# Altium PCB CrypTech.PcbDoc (part 1 of 6) (continued)
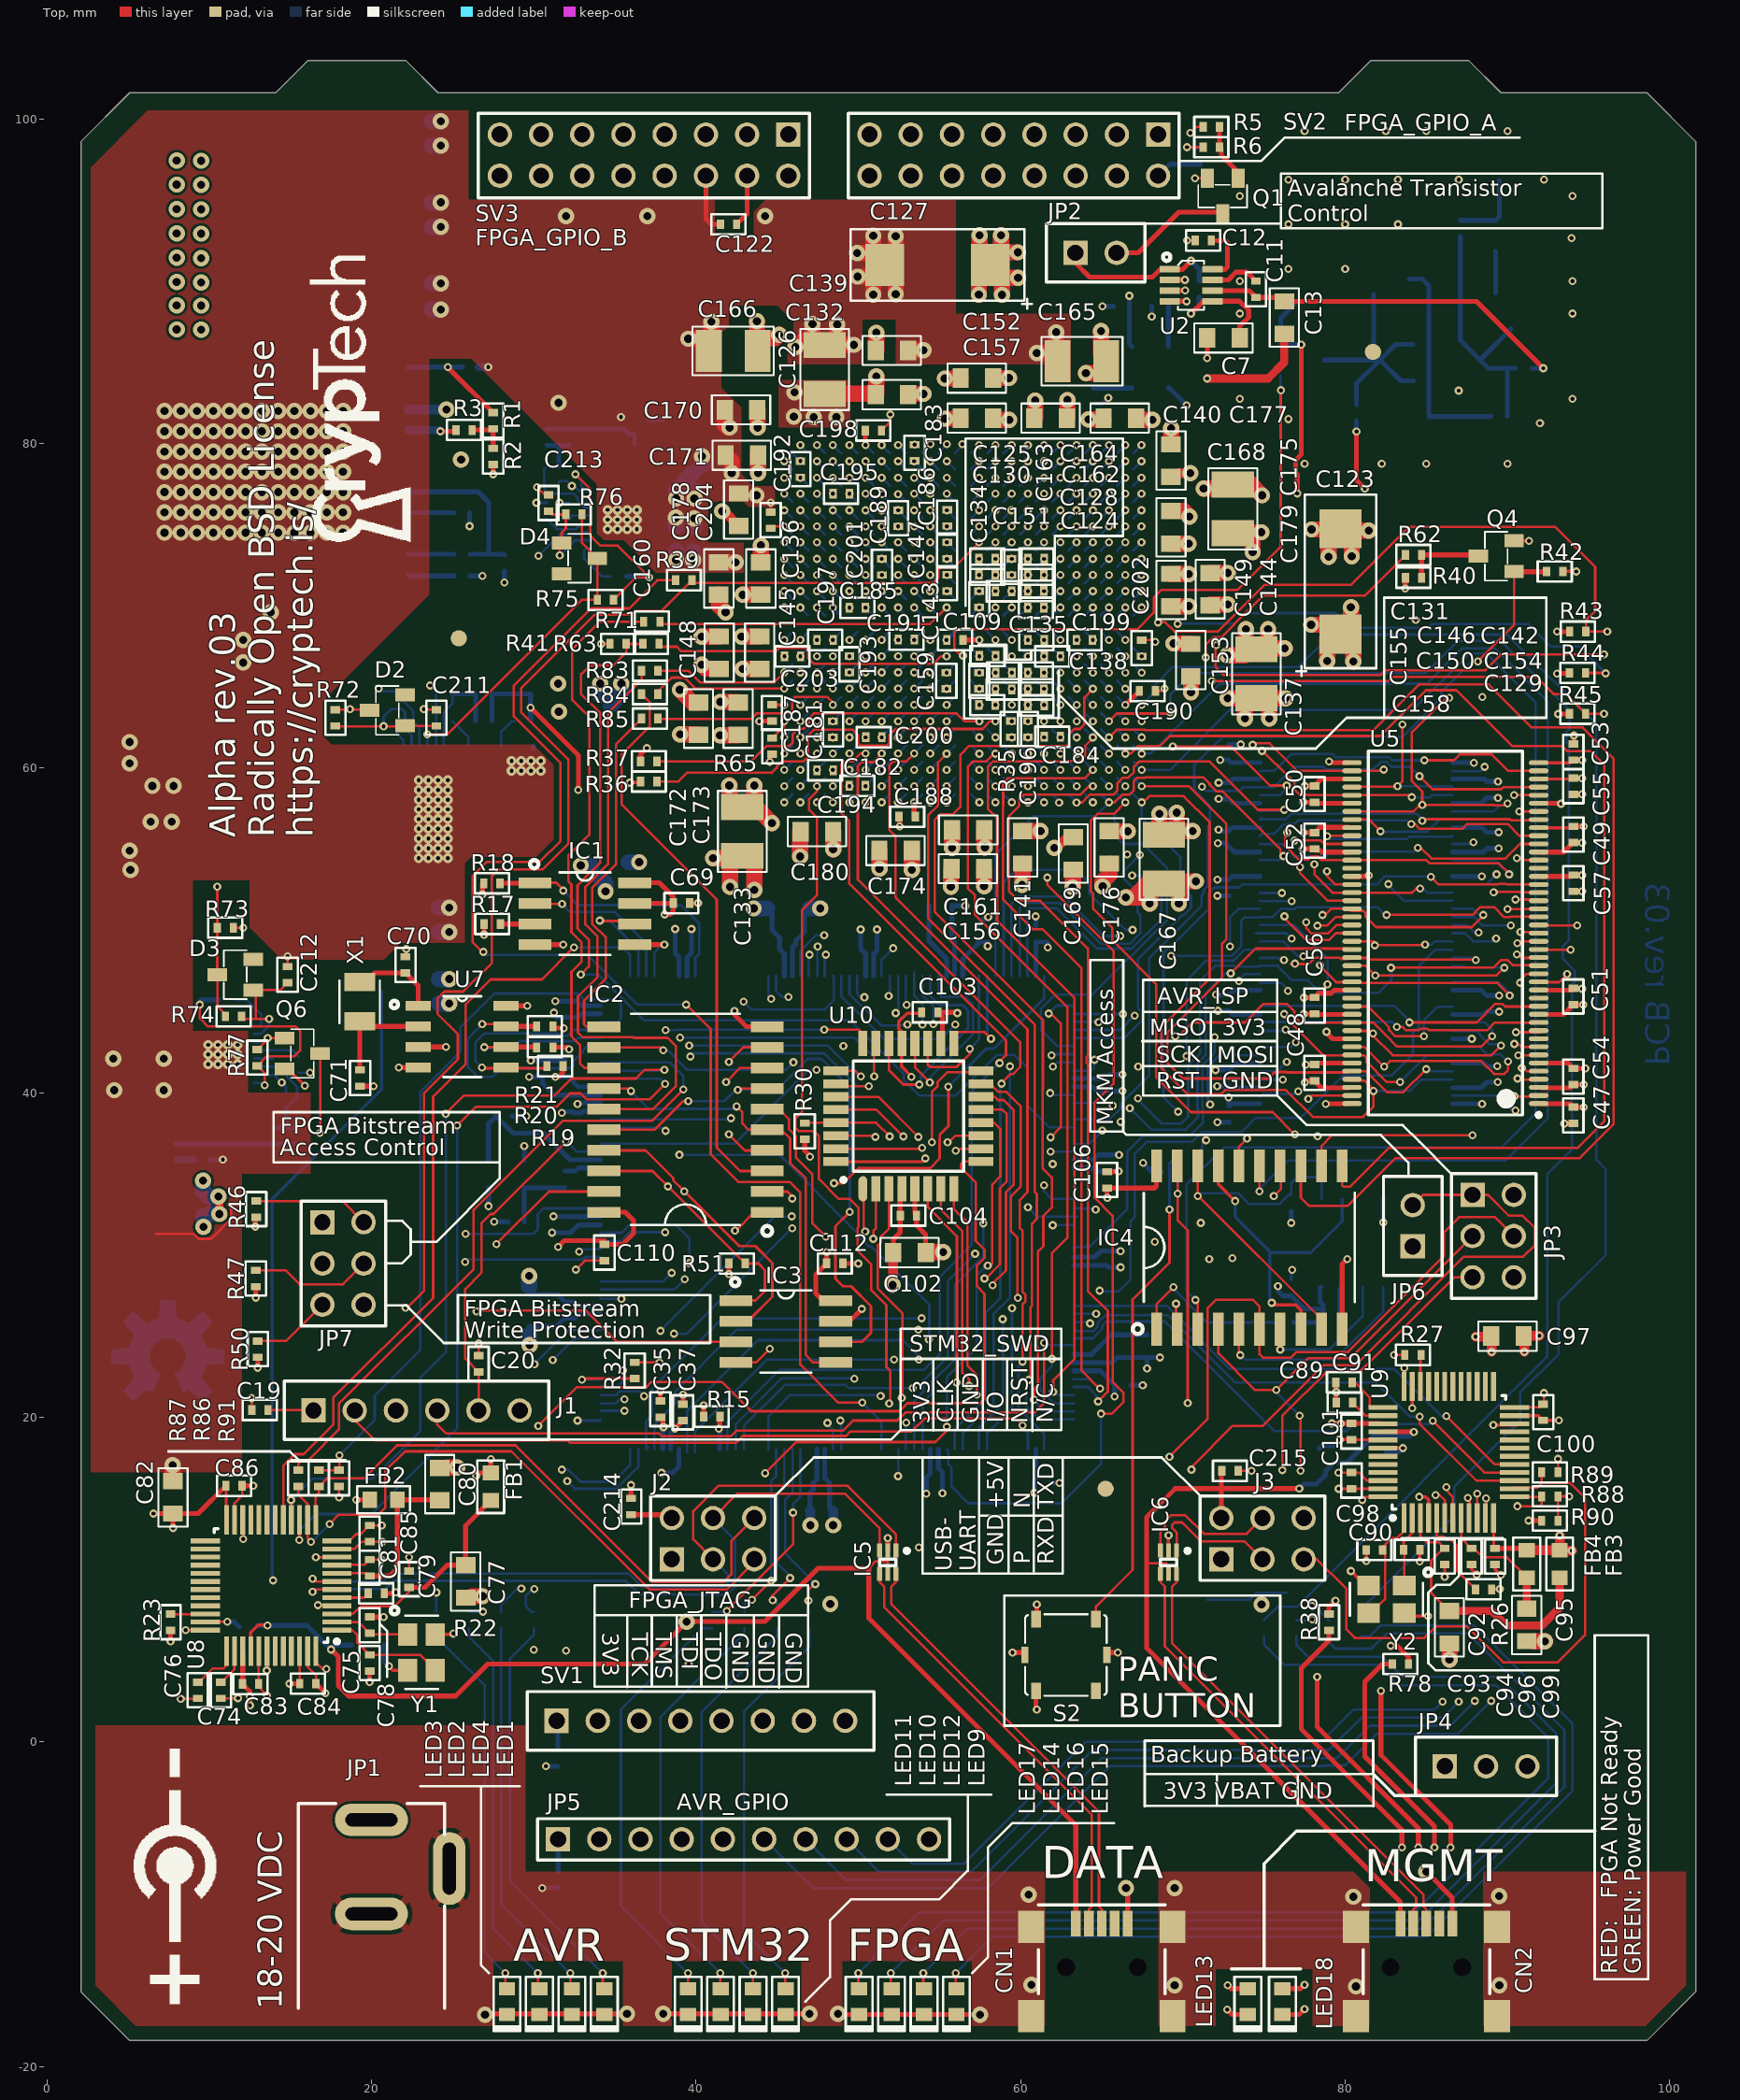
[diagram p0: Top view]
## Components (designator, comment, footprint, x,y, rotation, side; value= is the part's Value field where it differs from the comment) (continued)
C159 "GRM155R61A474KE15D" C_0402 55.423,65.38 r270 top
C160 "GRM21BR71A475KA73L" C_0805 41.402,71.679 r90 top
C161 "GRM21BR71A475KA73L" C_0805 56.769,56.185 r180 top
C162 "GRM155R61A474KE15D" C_0402 60.935,71.907 r180 top
C163 "GRM155R61A474KE15D" C_0402 59.436,72.39 r90 top
C164 "GRM155R61A474KE15D" C_0402 60.96,72.898 r0 top
C165 "GRM32ER70J476ME20L" C_1210 63.779,85.065 r180 top
C166 "GRM32ER70J476ME20L" C_1210 42.291,85.7 r180 top
C167 "GRM32ER70J476ME20L" C_1210 68.834,54.383 r270 top
C168 "GRM32ER70J476ME20L" C_1210 73.076,75.971 r270 top
C169 "GRM21BR71A475KA73L" C_0805 63.246,54.743 r270 top
C170 "GRM21BR71A475KA73L" C_0805 42.774,82.067 r180 top
C171 "GRM21BR71A475KA73L" C_0805 42.824,79.273 r180 top
C172 "GRM21BR71A475KA73L" C_0805 40.157,63.043 r270 top
C173 "GRM21BR71A475KA73L" C_0805 42.596,63.043 r270 top
C174 "GRM21BR71A475KA73L" C_0805 52.299,54.915 r180 top
C175 "GRM21BR71A475KA73L" C_0805 69.266,78.943 r90 top
C176 "GRM21BR71A475KA73L" C_0805 65.456,55.118 r270 top
C177 "GRM21BR71A475KA73L" C_0805 66.116,81.559 r0 top
C178 "GRM21BR71A475KA73L" C_0805 42.621,75.921 r90 top
C179 "GRM21BR71A475KA73L" C_0805 69.266,74.828 r270 top
C180 "GRM21BR71A475KA73L" C_0805 47.447,56.083 r0 top
C181 "GRM155R61A474KE15D" C_0402 48.438,62.382 r270 top
C182 "GRM155R61A474KE15D" C_0402 47.955,59.868 r0 top
C183 "GRM155R61A474KE15D" C_0402 53.467,79.426 r90 top
C184 "GRM155R61A474KE15D" C_0402 61.951,61.924 r180 top
C185 "GRM155R61A474KE15D" C_0402 49.936,69.875 r180 top
C186 "GRM155R61A474KE15D" C_0402 55.474,75.413 r90 top
C187 "GRM155R61A474KE15D" C_0402 44.679,63.398 r270 top
C188 "GRM155R61A474KE15D" C_0402 53.01,56.998 r180 top
C189 "GRM155R61A474KE15D" C_0402 52.451,75.387 r270 top
C190 "GRM155R61A474KE15D" C_0402 67.818,64.745 r0 top
C191 "GRM155R61A474KE15D" C_0402 52.959,67.92 r180 top
C192 "GRM155R61A474KE15D" C_0402 46.431,78.41 r90 top
C193 "GRM155R61A474KE15D" C_0402 49.454,66.396 r90 top
C194 "GRM155R61A474KE15D" C_0402 49.936,58.903 r180 top
C195 "GRM155R61A474KE15D" C_0402 48.946,76.911 r180 top
C196 "GRM155R61A474KE15D" C_0402 60.452,62.408 r270 top
C197 "GRM155R61A474KE15D" C_0402 47.955,67.894 r0 top
C198 "GRM155R61A474KE15D" C_0402 50.927,80.797 r0 top
C199 "GRM155R61A474KE15D" C_0402 63.932,67.894 r180 top
C200 "GRM155R61A474KE15D" C_0402 50.952,61.9 r180 top
C201 "GRM155R61A474KE15D" C_0402 51.46,72.39 r270 top
C202 "GRM155R61A474KE15D" C_0402 67.462,67.386 r90 top
C203 "GRM155R61A474KE15D" C_0402 45.949,66.878 r180 top
C204 "GRM155R61A474KE15D" C_0402 44.595,75.272 r90 top
C205 "C3225X5R1C226M250AA" C_1210 22.047,50.648 r0 bottom
C206 "C3225X5R1C226M250AA" C_1210 22.047,46.279 r0 bottom
C207 "" C_0402 24.486,62.89 r180 bottom
C208 "" C_0402 26.924,62.89 r180 bottom
C209 "GRM32ER70J476ME20L" C_1210 34.696,55.347 r270 bottom
C210 "GRM32ER70J476ME20L" C_1210 34.747,62.408 r90 bottom
C211 "" C_0402 24.003,63.094 r90 top
C212 "" C_0402 14.834,47.269 r90 top
C213 "" C_0402 30.912,76.327 r90 top
C214 "" C_0402 36,14.5 r90 top
C215 "" C_0402 72.9,16.7 r0 top
CN1 "690-005-299-043" USB-MINIB 65,-14.9 r0 top
CN2 "690-005-299-043" USB-MINIB 85,-14.9 r0 top locked
D1 "BAT54LT1G" SOT-23 82.855,89.179 r270 bottom
D2 "BAT54LT1G" SOT-23 20.98,63.551 r90 top
D3 "BAT54LT1G" SOT-23 11.608,47.269 r90 top
D4 "BAT54LT1G" SOT-23 32.817,72.923 r270 top
FB1 "FBMH1608HL601-T" L_0603 27.351,15.723 r270 top
FB2 "FBMH1608HL601-T" L_0603 20.753,14.919 r0 top
FB3 "FBMH1608HL601-T" L_0603 93.218,10.966 r270 top
FB4 "FBMH1608HL601-T" L_0603 91.186,10.966 r270 top
FB5 "BLM31PG330SN1" L_1206 41.453,84.277 r180 bottom
FB6 "BLM31PG330SN1" L_1206 7.798,33.147 r180 bottom
FB7 "BLM31PG330SN1" L_1206 39.624,58.217 r270 bottom
IC1 "N25Q128A13ESE*" SO08 33.155,51.028 r270 top
IC2 "MC74AC244DW*" SO20W 39.356,38.352 r90 top
IC3 "N25Q128A13ESE*" SO08 45.537,25.283 r270 top
IC4 "MC74AC244DW*" SO20W 74.092,30.464 r0 top
IC5 "RCLAMP0502A.TCT" RCLAMP0502A 51.816,11.074 r270 top
IC6 "RCLAMP0502A.TCT" RCLAMP0502A 69.113,11.074 r270 top
J1 "STM32-SWD" PLS-6 22.784,20.422 r0 top
J2 "M03X2NO_SILK" PLD-6 41.046,12.522 r0 top
J3 "M03X2NO_SILK" PLD-6 74.905,12.522 r0 top
JP1 "694106301002" 694106301002 20,-18.4 r90 top
JP2 "61300211121" PLS-2 64.647,91.745 r0 top
JP3 "AVR_SPI_PRG_62X3_LOCK" PLD-6 89.117,31.166 r270 top
JP4 "M03LOCK" PLS-3 88.679,-1.5 r0 top
JP5 "M10LOCK" HDR1X10 31.5,-6 r0 top
JP6 "61300211121" PLS-2 84.161,31.8 r90 top
JP7 "M03X2NO_SILK" PLD-6 18.25,29.475 r270 top
LED1 "LTST-C191KGKT" VD_0603 45.514,-16 r270 top
LED2 "LTST-C191KRKT" VD_0603 41.514,-16 r270 top
LED3 "LTST-C193TBKT-5A" VD_0603 39.514,-16 r270 top
LED4 "LTST-C191KSKT" VD_0603 43.514,-16 r270 top
LED9 "LTST-C191KGKT" VD_0603 34.35,-16 r270 top
LED10 "LTST-C191KRKT" VD_0603 30.35,-16 r270 top
LED11 "LTST-C193TBKT-5A" VD_0603 28.35,-16 r270 top
LED12 "LTST-C191KSKT" VD_0603 32.35,-16 r270 top
LED13 "LTST-C191KRKT" VD_0603 74,-16 r270 top
LED14 "LTST-C191KRKT" VD_0603 52.05,-16 r270 top
LED15 "LTST-C191KGKT" VD_0603 56.05,-16 r270 top
LED16 "LTST-C191KSKT" VD_0603 54.05,-16 r270 top
LED17 "LTST-C193TBKT-5A" VD_0603 50.05,-16 r270 top
LED18 "LTST-C191KGKT" VD_0603 76.132,-16 r270 top
Q1 "2N7002P,235" SOT-23 72.452,95.239 r180 top
Q2 "BC818-40LT1G" SOT-23 90.373,92.786 r90 bottom
Q3 "ABM8G-25.000MHZ-4Y-T3" CRYSTAL_3.2X2.5 28.3,34.975 r180 bottom
Q4 "2N7002P,235" SOT-23 89.306,73.05 r90 top
Q5 "ASFL1-50.000MHZ-EK-T" ASF 67.97,84.709 r270 bottom
Q6 "2N7002P,235" SOT-23 15.74,42.411 r270 top
R1 "" R_0402 27.5,81.4 r90 top
R2 "" R_0402 27.5,79.2 r90 top
R3 "" R_0402 25.705,80.831 r180 top
R4 "" R_0402 64.491,82.931 r90 bottom
R5 "" R_0402 71.75,99.5 r0 top
R6 "" R_0402 71.75,98.25 r180 top
R7 "" R_0402 71,89.5 r90 bottom
R8 "" R_0402 25.578,73.177 r180 bottom
R9 "" R_0402 28.194,72.619 r90 bottom
R10 "" R_0402 87.097,93.243 r90 bottom
R11 "" R_0402 90.983,84.633 r180 bottom
R12 "" R_0402 84.658,86.106 r180 bottom
R13 "" R_0402 80.696,81.89 r270 bottom
R14 "" R_0402 31.928,34.671 r270 bottom
R15 "" R_0402 40.97,20.041 r0 top
R16 "" R_0402 45,7.5 r90 bottom
R17 "" R_0402 27.44,50.393 r0 top
R18 "" R_0402 27.425,52.9 r0 top
R19 "" R_0402 31.309,41.629 r180 top
R20 "" R_0402 30.683,42.799 r180 top
R21 "" R_0402 30.683,44.094 r180 top
R22 "" R_0402 20.296,9.153 r0 top
R23 "" R_0402 7.621,7.375 r270 top
R26 "" R_0402 88.525,9.4 r0 top
R27 "" R_0402 84.176,23.844 r180 top
R30 "" R_0402 46.7,37.625 r270 top
R31 "" R_0402 28,7.5 r90 bottom
R32 "" R_0402 36.22,22.885 r270 top
R33 "" R_0402 79.146,25.841 r0 bottom
R34 "" R_0402 76.675,33.2 r270 bottom
R35 "" R_0402 59.4,62.4 r90 top
R36 "" R_0402 37.091,59.176 r0 top
R37 "" R_0402 37.091,60.408 r180 top
R38 "" R_0402 79,7.375 r90 top
R39 "" R_0402 39.25,71.575 r0 top
R40 "" R_0402 84.209,71.73 r180 top
R41 "" R_0402 35.2,67.65 r180 top
R42 "" R_0402 92.913,72.111 r180 top
R43 "" R_0402 94.336,68.402 r180 top
R44 "" R_0402 94.31,65.862 r180 top
R45 "" R_0402 94.31,63.348 r180 top
R46 "" R_0402 12.9,32.825 r270 top
R47 "" R_0402 12.875,28.55 r270 top
R49 "" R_0402 68.58,88.443 r180 bottom
R50 "" R_0402 13,24.2 r90 top
R51 "" R_0402 42.525,29.475 r180 top
R52 "" R_0402 35.23,71.806 r0 bottom
R53 "" R_0402 30.81,75.844 r270 bottom
R54 "" R_0402 11.092,45.72 r180 bottom
R55 "" R_0402 15.519,41.732 r90 bottom
R56 "" R_0402 30.81,80.391 r90 bottom
R57 "" R_0402 31.547,78.105 r90 bottom
R58 "" R_0402 15.367,37.338 r270 bottom
R59 "" R_0402 14.732,39.548 r270 bottom
R60 "" R_0402 36.6,81.475 r0 bottom
R61 "" R_0402 9.525,35.865 r180 bottom
R62 "" R_0402 84.209,73.127 r180 top
R63 "" R_0402 37.225,67.65 r0 top
R64 "" R_0402 81,7 r90 bottom
R65 "" R_0402 44.7,61.35 r270 top
R66 "" R_0402 22.073,62.89 r0 bottom
R67 "" R_0402 29.312,62.89 r0 bottom
R68 "" R_0402 26.924,64.567 r0 bottom
R69 "" R_0402 24.486,64.567 r0 bottom
R70 "" R_0402 30.302,64.567 r180 bottom
R71 "" R_0402 37.275,69.025 r0 top
R72 "" R_0402 17.78,63.094 r270 top
R73 "" R_0402 10.998,50.165 r0 top
R74 "" R_0402 11.5,44.7 r0 top
R75 "" R_0402 34.417,70.358 r0 top
R76 "" R_0402 32.475,75.625 r180 top
R77 "" R_0402 12.971,42.157 r270 top
R78 "" R_0402 83.4,4.8 r0 top
R80 "" R_0402 76.327,25.841 r0 bottom
R81 "" R_0402 69.175,35.15 r180 bottom
R82 "" R_0402 70.206,36.23 r0 bottom
R83 "" R_0402 37.15,66 r0 top
R84 "" R_0402 37.15,64.561 r0 top
R85 "" R_0402 37.15,63.05 r0 top
R86 "" R_0402 16.752,16.24 r270 top
R87 "" R_0402 15.495,16.24 r270 top
R88 "" R_0402 92.608,15.132 r180 top
R89 "" R_0402 92.608,16.605 r180 top
R90 "" R_0402 92.608,13.633 r0 top
R91 "" R_0402 18.01,16.24 r90 top
R92 "" R_0402 47,7.5 r90 bottom
R93 "" R_0402 41,7.5 r90 bottom
R94 "" R_0402 43,7.5 r90 bottom
R95 "" R_0402 30,7.5 r90 bottom
R96 "" R_0402 24,7.5 r90 bottom
R97 "" R_0402 26,7.5 r90 bottom
R98 "" R_0402 79,7 r90 bottom
R99 "" R_0402 77,7 r90 bottom
R100 "" R_0402 75,7 r90 bottom
S1 "SHIELDING CABINET" WE-SHC_36103205_NO_CREAM 83.82,87.745 r90 bottom
S2 "EVQPT9A15" TACTILE_SWITCH 62.8,5.361 r180 top
SV1 "MA08-1" PLS-8 40.3,1.3 r0 top
SV2 "MA08-2" PLD-16 59.583,97.765 r180 top
SV3 "MA08-2" PLD-16 36.799,97.765 r180 top
T1 "BC847BLT3G" SOT-23 90.221,88.163 r0 bottom
T2 "BC847BLT3G" SOT-23 84.201,82.753 r180 bottom
TP1 "TPB1,27" B1,27 88.316,85.141 r0 bottom
TP2 "TPB1,27" B1,27 82.144,85.141 r0 bottom
U1 "LMZ13608TZ*" NDY 22.276,78.283 r270 bottom
U2 "LT3060ITS8-15#TRMPBF" TSOT-8-23 70.5,89.75 r270 top
U3 "MC74HC1G14DTT1G" SOT-23-5 77.368,85.141 r180 bottom
U4 "STM32F429BIT6" TSQFP50P3000X3000X160-208N 48.692,32.614 r0 bottom
U5 "IS45S32160F*" TSSOP50P1180X120-86N 86.17,49.826 r180 top
U6 "IS45S32160F*" TSSOP50P1180X120-86N 80.67,49.826 r0 bottom
U7 "MCP79412-I/SN" SOIC127P600X175-8N 25.6,43.45 r0 top
U8 "FT232HL-REEL" LQFP-48 13.819,9.636 r180 top
U9 "FT232HL-REEL" LQFP-48 86.385,17.85 r90 top
U10 "ATTINY828R-AU" LQFP-32 53.083,38.55 r90 top
U12 "23K640-I/SN" SOIC127P600X175-8N 80.442,30.718 r270 bottom
U13 "XC7A200TFBG484" BGA484C100P22X22_2300X2300X254 56.453,68.885 r180 bottom
U14 "EN6347QI" QFN38 35.458,76.556 r270 bottom
U15 "EN6347QI" QFN38 10.846,41.097 r90 bottom
U16 "EN5364QI" QFN68 25.984,57.48 r180 bottom
X1 "ABS07-32.768KHZ-T" XTAL3215 19.275,45.6 r90 top
Y1 "ABM8G-12.000MHZ-4Y-T3" CRYSTAL_3.2X2.5 23.075,5.5 r270 top
Y2 "ABM8G-12.000MHZ-4Y-T3" CRYSTAL_3.2X2.5 82.525,8.8 r180 top

## Footprints (in the part's own frame and the unit in brackets; to place one, negate y for a bottom-side part, rotate by r counter-clockwise, add the part's x,y. Pads: shape width x height; smd on the part's side, far side on the other; paste and mask are expansions set on the pad)
694106301002 [mm] "Wurth DC Power Jack, 2.1mm, PCB Mount"
  oval 2x4.5 hole 0.8 slot 3.2 at 90 deg: 1(13.6,0) 2(7.8,0)
  oval 4.5x2 hole 0.8 slot 3.2 at 0 deg: 3(10.6,-4.8)
  silkscreen extent 2,-4.5 14.6,4.5, body extent -0.01,-4.95 14.39,4.44, height 11
ASF [mil] "ASF"
  rect 67x59 smd: 1(-49.31,-44.5) 2(51,-44.5) 3(51,43) 4(-49.31,43)
  silkscreen extent -95,-120 97,84
B1,27 [mm] "B1,27"
  rrect100% 1.27x1.27 smd: TP(0,0)
  silkscreen extent -1.07,-1.06 1.07,1.06
BGA484C100P22X22_2300X2300X254 [mm] "BGA, 484-Leads, Body 23,00x23,00mmx2,54mm, Pitch 1,00mm"
  round 0.45 smd: A1(-10.5,10.5) A2(-9.5,10.5) A3(-8.5,10.5) A4(-7.5,10.5) A5(-6.5,10.5) A6(-5.5,10.5) A7(-4.5,10.5) A8(-3.5,10.5) A9(-2.5,10.5) A10(-1.5,10.5) A11(-0.5,10.5) A12(0.5,10.5) A13(1.5,10.5) A14(2.5,10.5) A15(3.5,10.5) A16(4.5,10.5) A17(5.5,10.5) A18(6.5,10.5) A19(7.5,10.5) A20(8.5,10.5) A21(9.5,10.5) A22(10.5,10.5) AA1(-10.5,-9.5) AA2(-9.5,-9.5) AA3(-8.5,-9.5) AA4(-7.5,-9.5) AA5(-6.5,-9.5) AA6(-5.5,-9.5) AA7(-4.5,-9.5) AA8(-3.5,-9.5) AA9(-2.5,-9.5) AA10(-1.5,-9.5) AA11(-0.5,-9.5) AA12(0.5,-9.5) AA13(1.5,-9.5) AA14(2.5,-9.5) AA15(3.5,-9.5) AA16(4.5,-9.5) AA17(5.5,-9.5) AA18(6.5,-9.5) AA19(7.5,-9.5) AA20(8.5,-9.5) AA21(9.5,-9.5) AA22(10.5,-9.5) AB1(-10.5,-10.5) AB2(-9.5,-10.5) AB3(-8.5,-10.5) AB4(-7.5,-10.5) AB5(-6.5,-10.5) AB6(-5.5,-10.5) AB7(-4.5,-10.5) AB8(-3.5,-10.5) AB9(-2.5,-10.5) AB10(-1.5,-10.5) AB11(-0.5,-10.5) AB12(0.5,-10.5) AB13(1.5,-10.5) AB14(2.5,-10.5) AB15(3.5,-10.5) AB16(4.5,-10.5) AB17(5.5,-10.5) AB18(6.5,-10.5) AB19(7.5,-10.5) AB20(8.5,-10.5) AB21(9.5,-10.5) AB22(10.5,-10.5) B1(-10.5,9.5) B2(-9.5,9.5) B3(-8.5,9.5) B4(-7.5,9.5) B5(-6.5,9.5) B6(-5.5,9.5) B7(-4.5,9.5) B8(-3.5,9.5) B9(-2.5,9.5) B10(-1.5,9.5) B11(-0.5,9.5) B12(0.5,9.5) B13(1.5,9.5) B14(2.5,9.5) B15(3.5,9.5) B16(4.5,9.5) B17(5.5,9.5) B18(6.5,9.5) B19(7.5,9.5) B20(8.5,9.5) B21(9.5,9.5) B22(10.5,9.5) C1(-10.5,8.5) C2(-9.5,8.5) C3(-8.5,8.5) C4(-7.5,8.5) C5(-6.5,8.5) C6(-5.5,8.5) C7(-4.5,8.5) C8(-3.5,8.5) C9(-2.5,8.5) C10(-1.5,8.5) C11(-0.5,8.5) C12(0.5,8.5) C13(1.5,8.5) C14(2.5,8.5) C15(3.5,8.5) C16(4.5,8.5) C17(5.5,8.5) C18(6.5,8.5) C19(7.5,8.5) C20(8.5,8.5) C21(9.5,8.5) C22(10.5,8.5) D1(-10.5,7.5) D2(-9.5,7.5) D3(-8.5,7.5) D4(-7.5,7.5) D5(-6.5,7.5) D6(-5.5,7.5) D7(-4.5,7.5) D8(-3.5,7.5) D9(-2.5,7.5) D10(-1.5,7.5) D11(-0.5,7.5) D12(0.5,7.5) D13(1.5,7.5) D14(2.5,7.5) D15(3.5,7.5) D16(4.5,7.5) D17(5.5,7.5) D18(6.5,7.5) D19(7.5,7.5) D20(8.5,7.5) D21(9.5,7.5) D22(10.5,7.5) E1(-10.5,6.5) E2(-9.5,6.5) E3(-8.5,6.5) E4(-7.5,6.5) E5(-6.5,6.5) E6(-5.5,6.5) E7(-4.5,6.5) E8(-3.5,6.5) E9(-2.5,6.5) E10(-1.5,6.5) E11(-0.5,6.5) E12(0.5,6.5) E13(1.5,6.5) E14(2.5,6.5) E15(3.5,6.5) E16(4.5,6.5) E17(5.5,6.5) E18(6.5,6.5) E19(7.5,6.5) E20(8.5,6.5) E21(9.5,6.5) E22(10.5,6.5) F1(-10.5,5.5) F2(-9.5,5.5) F3(-8.5,5.5) F4(-7.5,5.5) F5(-6.5,5.5) F6(-5.5,5.5) F7(-4.5,5.5) F8(-3.5,5.5) F9(-2.5,5.5) F10(-1.5,5.5) F11(-0.5,5.5) F12(0.5,5.5) F13(1.5,5.5) F14(2.5,5.5) F15(3.5,5.5) F16(4.5,5.5) F17(5.5,5.5) F18(6.5,5.5) F19(7.5,5.5) F20(8.5,5.5) F21(9.5,5.5) F22(10.5,5.5) G1(-10.5,4.5) G2(-9.5,4.5) G3(-8.5,4.5) G4(-7.5,4.5) G5(-6.5,4.5) G6(-5.5,4.5) G7(-4.5,4.5) G8(-3.5,4.5) G9(-2.5,4.5) G10(-1.5,4.5) G11(-0.5,4.5) G12(0.5,4.5) G13(1.5,4.5) G14(2.5,4.5) G15(3.5,4.5) G16(4.5,4.5) G17(5.5,4.5) G18(6.5,4.5) G19(7.5,4.5) G20(8.5,4.5) G21(9.5,4.5) G22(10.5,4.5) H1(-10.5,3.5) H2(-9.5,3.5) H3(-8.5,3.5) H4(-7.5,3.5) H5(-6.5,3.5) H6(-5.5,3.5) H7(-4.5,3.5) H8(-3.5,3.5) H9(-2.5,3.5) H10(-1.5,3.5) H11(-0.5,3.5) H12(0.5,3.5) H13(1.5,3.5) H14(2.5,3.5) H15(3.5,3.5) H16(4.5,3.5) H17(5.5,3.5) H18(6.5,3.5) H19(7.5,3.5) H20(8.5,3.5) H21(9.5,3.5) H22(10.5,3.5) J1(-10.5,2.5) J2(-9.5,2.5) J3(-8.5,2.5) J4(-7.5,2.5) J5(-6.5,2.5) J6(-5.5,2.5) J7(-4.5,2.5) J8(-3.5,2.5) J9(-2.5,2.5) J10(-1.5,2.5) J11(-0.5,2.5) J12(0.5,2.5) J13(1.5,2.5) J14(2.5,2.5) J15(3.5,2.5) J16(4.5,2.5) J17(5.5,2.5) J18(6.5,2.5) J19(7.5,2.5) J20(8.5,2.5) J21(9.5,2.5) J22(10.5,2.5) K1(-10.5,1.5) K2(-9.5,1.5) K3(-8.5,1.5) K4(-7.5,1.5) K5(-6.5,1.5) K6(-5.5,1.5) K7(-4.5,1.5) K8(-3.5,1.5) K9(-2.5,1.5) K10(-1.5,1.5) K11(-0.5,1.5) K12(0.5,1.5) K13(1.5,1.5) K14(2.5,1.5) K15(3.5,1.5) K16(4.5,1.5) K17(5.5,1.5) K18(6.5,1.5) K19(7.5,1.5) K20(8.5,1.5) K21(9.5,1.5) K22(10.5,1.5) L1(-10.5,0.5) L2(-9.5,0.5) L3(-8.5,0.5) L4(-7.5,0.5) L5(-6.5,0.5) L6(-5.5,0.5) L7(-4.5,0.5) L8(-3.5,0.5) L9(-2.5,0.5) L10(-1.5,0.5) L11(-0.5,0.5) L12(0.5,0.5) L13(1.5,0.5) L14(2.5,0.5) L15(3.5,0.5) L16(4.5,0.5) L17(5.5,0.5) L18(6.5,0.5) L19(7.5,0.5) L20(8.5,0.5) L21(9.5,0.5) L22(10.5,0.5) M1(-10.5,-0.5) M2(-9.5,-0.5) M3(-8.5,-0.5) M4(-7.5,-0.5) M5(-6.5,-0.5) M6(-5.5,-0.5) M7(-4.5,-0.5) M8(-3.5,-0.5) M9(-2.5,-0.5) M10(-1.5,-0.5) M11(-0.5,-0.5) M12(0.5,-0.5) M13(1.5,-0.5) M14(2.5,-0.5) M15(3.5,-0.5) M16(4.5,-0.5) M17(5.5,-0.5) M18(6.5,-0.5) M19(7.5,-0.5) M20(8.5,-0.5) M21(9.5,-0.5) M22(10.5,-0.5) N1(-10.5,-1.5) N2(-9.5,-1.5) N3(-8.5,-1.5) N4(-7.5,-1.5) N5(-6.5,-1.5) N6(-5.5,-1.5) N7(-4.5,-1.5) N8(-3.5,-1.5) N9(-2.5,-1.5) N10(-1.5,-1.5) N11(-0.5,-1.5) N12(0.5,-1.5) N13(1.5,-1.5) N14(2.5,-1.5) N15(3.5,-1.5) N16(4.5,-1.5) N17(5.5,-1.5) N18(6.5,-1.5) N19(7.5,-1.5) N20(8.5,-1.5) N21(9.5,-1.5) N22(10.5,-1.5) P1(-10.5,-2.5) P2(-9.5,-2.5) P3(-8.5,-2.5) P4(-7.5,-2.5) P5(-6.5,-2.5) P6(-5.5,-2.5) P7(-4.5,-2.5) P8(-3.5,-2.5) P9(-2.5,-2.5) P10(-1.5,-2.5) P11(-0.5,-2.5) P12(0.5,-2.5) P13(1.5,-2.5) P14(2.5,-2.5) P15(3.5,-2.5) P16(4.5,-2.5) P17(5.5,-2.5) P18(6.5,-2.5) P19(7.5,-2.5) P20(8.5,-2.5) P21(9.5,-2.5) P22(10.5,-2.5) R1(-10.5,-3.5) R2(-9.5,-3.5) R3(-8.5,-3.5) R4(-7.5,-3.5) R5(-6.5,-3.5) R6(-5.5,-3.5) R7(-4.5,-3.5) R8(-3.5,-3.5) R9(-2.5,-3.5) R10(-1.5,-3.5) R11(-0.5,-3.5) R12(0.5,-3.5) R13(1.5,-3.5) R14(2.5,-3.5) R15(3.5,-3.5) R16(4.5,-3.5) R17(5.5,-3.5) R18(6.5,-3.5) R19(7.5,-3.5) R20(8.5,-3.5) R21(9.5,-3.5) R22(10.5,-3.5) T1(-10.5,-4.5) T2(-9.5,-4.5) T3(-8.5,-4.5) T4(-7.5,-4.5) T5(-6.5,-4.5) T6(-5.5,-4.5) T7(-4.5,-4.5) T8(-3.5,-4.5) T9(-2.5,-4.5) T10(-1.5,-4.5) T11(-0.5,-4.5) T12(0.5,-4.5) T13(1.5,-4.5) T14(2.5,-4.5) T15(3.5,-4.5) T16(4.5,-4.5) T17(5.5,-4.5) T18(6.5,-4.5) T19(7.5,-4.5) T20(8.5,-4.5) T21(9.5,-4.5) T22(10.5,-4.5) U1(-10.5,-5.5) U2(-9.5,-5.5) U3(-8.5,-5.5) U4(-7.5,-5.5) U5(-6.5,-5.5) U6(-5.5,-5.5) U7(-4.5,-5.5) U8(-3.5,-5.5) U9(-2.5,-5.5) U10(-1.5,-5.5) U11(-0.5,-5.5) U12(0.5,-5.5) U13(1.5,-5.5) U14(2.5,-5.5) U15(3.5,-5.5) U16(4.5,-5.5) U17(5.5,-5.5) U18(6.5,-5.5) U19(7.5,-5.5) U20(8.5,-5.5) U21(9.5,-5.5) U22(10.5,-5.5) V1(-10.5,-6.5) V2(-9.5,-6.5) V3(-8.5,-6.5) V4(-7.5,-6.5) V5(-6.5,-6.5) V6(-5.5,-6.5) V7(-4.5,-6.5) V8(-3.5,-6.5) V9(-2.5,-6.5) V10(-1.5,-6.5) V11(-0.5,-6.5) V12(0.5,-6.5) V13(1.5,-6.5) V14(2.5,-6.5) V15(3.5,-6.5) V16(4.5,-6.5) V17(5.5,-6.5) V18(6.5,-6.5) V19(7.5,-6.5) V20(8.5,-6.5) V21(9.5,-6.5) V22(10.5,-6.5) W1(-10.5,-7.5) W2(-9.5,-7.5) W3(-8.5,-7.5) W4(-7.5,-7.5) W5(-6.5,-7.5) W6(-5.5,-7.5) W7(-4.5,-7.5) W8(-3.5,-7.5) W9(-2.5,-7.5) W10(-1.5,-7.5) W11(-0.5,-7.5) W12(0.5,-7.5) W13(1.5,-7.5) W14(2.5,-7.5) W15(3.5,-7.5) W16(4.5,-7.5) W17(5.5,-7.5) W18(6.5,-7.5) W19(7.5,-7.5) W20(8.5,-7.5) W21(9.5,-7.5) W22(10.5,-7.5) Y1(-10.5,-8.5) Y2(-9.5,-8.5) Y3(-8.5,-8.5) Y4(-7.5,-8.5) Y5(-6.5,-8.5) Y6(-5.5,-8.5) Y7(-4.5,-8.5) Y8(-3.5,-8.5) Y9(-2.5,-8.5) Y10(-1.5,-8.5) Y11(-0.5,-8.5) Y12(0.5,-8.5) Y13(1.5,-8.5) Y14(2.5,-8.5) Y15(3.5,-8.5) Y16(4.5,-8.5) Y17(5.5,-8.5) Y18(6.5,-8.5) Y19(7.5,-8.5) Y20(8.5,-8.5) Y21(9.5,-8.5) Y22(10.5,-8.5)
  silkscreen extent -12.27,-11.5 11.5,11.5, body extent -11.5,-11.5 11.5,11.5, height 2.54
C_0402 [mm]
  rect 0.45x0.6 smd paste-0.04 mask+0.05: 1(-0.5,0) 2(0.5,0)
  silkscreen extent -1.05,-0.63 1.05,0.63, body extent -0.5,-0.3 0.5,0.3, height 0.2
C_0603 [mm]
  rect 0.8x0.8 smd paste-0.06 mask+0.08: 1(-0.7,0) 2(0.7,0)
  silkscreen extent -1.4,-0.7 1.4,0.7, body extent -0.8,-0.4 0.8,0.4, height 0.3
C_0805 [mm]
  rect 1x1.2 smd paste-0.05 mask+0.102: 1(-1,0) 2(1,0)
  silkscreen extent -1.8,-0.9 1.8,0.9, body extent -1,-0.65 1,0.6, height 0.78
C_1210 [mm]
  rect 1.6x2.6 smd paste-0.1: 1(-1.5,0) 2(1.5,0)
  silkscreen extent -2.5,-1.5 2.5,1.5, body extent -1.6,-1.25 1.6,1.25, height 2.5
C_D [mm]
  rect 2.4x2.6 smd paste-0.12: 1(-3.25,0) 2(3.25,0)
  silkscreen extent -5.83,-2.2 5.35,2.7, body extent -3.6,-2.15 3.7,2.15, height 2.81
CRYSTAL_3.2X2.5 [mil] "CRYSTAL_3.2X2.5"
  rect 55x47 smd: 1(-44,-33) 2(43,-33) 3(43,34) 4(-44,34)
  silkscreen extent -111,-74 88,40
HDR1X10 [mm] "Connector; Header; 10 Position"
  rect 1.5x1.5 hole 1: 1(0,0)
  round 1.5 hole 1: 2(2.54,0) 3(5.08,0) 4(7.62,0) 5(10.16,0) 6(12.7,0) 7(15.24,0) 8(17.78,0) 9(20.32,0) 10(22.86,0)
  silkscreen extent -1.27,-1.27 24.13,1.27
L_0603 [mm]
  rect 0.9x1 smd paste-0.08 mask+0.05: 1(-0.85,0) 2(0.85,0)
  silkscreen extent -1.63,-0.83 1.63,0.83, body extent -0.8,-0.4 0.8,0.4, height 0.9
L_1206 [mm]
  rect 1.4x1.8 smd paste-0.1 mask+0.05: 1(1.4,0) 2(-1.4,0)
  silkscreen extent -2.25,-1.05 2.25,1.05, body extent -1.6,-0.85 1.6,0.75, height 1.5
LQFP-32 [mm] "TQFP, 32-Leads, Body 9,0x9,0mm (max), Pitch 0,80mm, IPC Medium Density"
  oval 1.55x0.55 smd paste-0.06 mask+0.05: 1(-4.475,2.8)
  rect 1.55x0.55 smd paste-0.06 mask+0.05: 2(-4.475,2) 3(-4.475,1.2) 4(-4.475,0.4) 5(-4.475,-0.4) 6(-4.475,-1.2) 7(-4.475,-2) 8(-4.475,-2.8) 17(4.475,-2.8) 18(4.475,-2) 19(4.475,-1.2) 20(4.475,-0.4) 21(4.475,0.4) 22(4.475,1.2) 23(4.475,2) 24(4.475,2.8)
  rect 0.55x1.55 smd paste-0.06 mask+0.05: 9(-2.8,-4.475) 10(-2,-4.475) 11(-1.2,-4.475) 12(-0.4,-4.475) 13(0.4,-4.475) 14(1.2,-4.475) 15(2,-4.475) 16(2.8,-4.475) 25(2.8,4.475) 26(2,4.475) 27(1.2,4.475) 28(0.4,4.475) 29(-0.4,4.475) 30(-1.2,4.475) 31(-2,4.475) 32(-2.8,4.475)
  silkscreen extent -4.05,-3.4 3.4,4.12, body extent -4.55,-4.54 4.53,4.54, height 1.43
LQFP-48 [mm] "TSQFP, 48-Leads, Body 9,3x9,3mm (max), Pitch 0,50mm, IPC Medium Density"
  rect 1.8x0.3 smd paste-0.04 mask+0.05: 1(-4.05,2.75) 2(-4.05,2.25) 3(-4.05,1.75) 4(-4.05,1.25) 5(-4.05,0.75) 6(-4.05,0.25) 7(-4.05,-0.25) 8(-4.05,-0.75) 9(-4.05,-1.25) 10(-4.05,-1.75) 11(-4.05,-2.25) 12(-4.05,-2.75) 25(4.05,-2.75) 26(4.05,-2.25) 27(4.05,-1.75) 28(4.05,-1.25) 29(4.05,-0.75) 30(4.05,-0.25) 31(4.05,0.25) 32(4.05,0.75) 33(4.05,1.25) 34(4.05,1.75) 35(4.05,2.25) 36(4.05,2.75)
  rect 0.3x1.8 smd paste-0.04 mask+0.05: 13(-2.75,-4.05) 14(-2.25,-4.05) 15(-1.75,-4.05) 16(-1.25,-4.05) 17(-0.75,-4.05) 18(-0.25,-4.05) 19(0.25,-4.05) 20(0.75,-4.05) 21(1.25,-4.05) 22(1.75,-4.05) 23(2.25,-4.05) 24(2.75,-4.05) 37(2.75,4.05) 38(2.25,4.05) 39(1.75,4.05) 40(1.25,4.05) 41(0.75,4.05) 42(0.25,4.05) 43(-0.25,4.05) 44(-0.75,4.05) 45(-1.25,4.05) 46(-1.75,4.05) 47(-2.25,4.05) 48(-2.75,4.05)
  silkscreen extent -4.18,-3.5 3.5,3.57, body extent -4.5,-4.5 4.5,4.5, height 1.5
NDY [mil] "NDY"
  rect 34x95 smd: 1(-250,0) 2(-200,0) 3(-150,0) 4(-100,0) 5(-50,0) 6(0,0) 7(50,0) 8(100,0) 9(150,0) 10(200,0) 11(250,0)
  rect 360x527 smd: TP1(0,375)
  silkscreen extent -337,-8 313,693
PLD-6 [mm]
  rect 1.5x1.5 hole 1: 1(-2.54,-1.27)
  round 1.5 hole 1: 2(-2.54,1.27) 3(0,-1.27) 4(0,1.27) 5(2.54,-1.27) 6(2.54,1.27)
  silkscreen extent -3.84,-2.57 3.84,2.63, body extent -3.8,-2.54 3.82,2.54, height 8.5
PLD-16 [mm]
  rect 1.5x1.5 hole 1: 1(-8.89,-1.27)
  round 1.5 hole 1: 2(-8.89,1.27) 3(-6.35,-1.27) 4(-6.35,1.27) 5(-3.81,-1.27) 6(-3.81,1.27) 7(-1.27,-1.27) 8(-1.27,1.27) 9(1.27,-1.27) 10(1.27,1.27) 11(3.81,-1.27) 12(3.81,1.27) 13(6.35,-1.27) 14(6.35,1.27) 15(8.89,-1.27) 16(8.89,1.27)
  silkscreen extent -10.19,-2.57 10.21,2.63, body extent -10.15,-2.5 10.17,2.58, height 8.5
PLS-2 [mm]
  rect 1.5x1.5 hole 1: 1(-1.27,0)
  round 1.5 hole 1: 2(1.27,0)
  silkscreen extent -3.07,-1.8 3.03,1.8, body extent -2.54,-1.23 2.54,1.31, height 8.49
PLS-3 [mm]
  rect 1.5x1.5 hole 1: 1(-2.54,0)
  round 1.5 hole 1: 2(0,0) 3(2.54,0)
  silkscreen extent -4.34,-1.8 4.36,1.8, body extent -3.76,-1.2 3.76,1.3, height 9.4
PLS-6 [mm]
  rect 1.5x1.5 hole 1: 1(-6.35,0)
  round 1.5 hole 1: 2(-3.81,0) 3(-1.27,0) 4(1.27,0) 5(3.81,0) 6(6.35,0)
  silkscreen extent -8.15,-1.8 8.15,1.8, body extent -7.61,-1.16 7.63,1.34, height 8.5
PLS-8 [mm]
  rect 1.5x1.5 hole 1: 1(-8.89,0)
  round 1.5 hole 1: 2(-6.35,0) 3(-3.81,0) 4(-1.27,0) 5(1.27,0) 6(3.81,0) 7(6.35,0) 8(8.89,0)
  silkscreen extent -10.69,-1.8 10.67,1.8, body extent -10.16,-1.27 10.16,1.27, height 8.8
QFN38 [mil] "QFN38_4X7X1.85"
  rrect90% 24x10 smd: 1(-133.86,50) 2(-133.86,30) 3(-133.86,10) 4(-133.86,-9.84) 5(-133.86,-29.53) 6(-133.86,-49.21) 20(134,-49.21) 21(134,-29.53) 22(134,-9.84) 23(134,10) 24(134,30) 25(134,50)
  rrect90% 10x24 smd: 7(-118.11,-74.8) 8(-98.43,-74.8) 9(-78.74,-74.8) 10(-59.06,-74.8) 11(-39.37,-74.8) 12(-19.69,-74.8) 13(0,-74.8) 14(20,-74.8) 15(40,-74.8) 16(60,-74.8) 17(79,-74.8) 18(99,-74.8) 19(119,-74.8) 26(119,75) 27(99,75) 28(79,75) 29(60,75) 30(40,75) 31(20,75) 32(0,75) 33(-19.69,75) 34(-39.37,75) 35(-59.06,75) 36(-78.74,75) 37(-98.43,75) 38(-118.11,75)
  rrect10% 76.38x102.36 smd paste-196.85 mask+0: PAD39(49.61,0)
  Top keep-out region: 4.92,56.1 4.92,-56.1 -115.16,-56.1 -115.16,56.1
  Top keep-out region: 94.49,56.1 94.49,-56.1 115.16,-56.1 115.16,56.1
  silkscreen extent -159,72 -141,90
QFN68 [mil] "QFN68_8X11X1.85"
  rrect90% 24x10 smd: 1(-216.54,138) 2(-216.54,119) 3(-216.54,99) 4(-216.54,79) 5(-216.54,60) 6(-216.54,40) 7(-216.54,20) 8(-216.54,0) 9(-216.54,-19.69) 10(-216.54,-39.37) 11(-216.54,-59.06) 12(-216.54,-78.74) 13(-216.54,-98.43) 14(-216.54,-118.11) 15(-216.54,-137.8) 35(217,-137.8) 36(217,-118.11) 37(217,-98.43) 38(217,-78.74) 39(217,-59.06) 40(217,-39.37) 41(217,-19.69) 42(217,0) 43(217,20) 44(217,40) 45(217,60) 46(217,79) 47(217,99) 48(217,119) 49(217,138)
  rrect90% 10x24 smd: 16(-177.17,-153.54) 17(-157.48,-153.54) 18(-137.8,-153.54) 19(-118.11,-153.54) 20(-98.43,-153.54) 21(-78.74,-153.54) 22(-59.06,-153.54) 23(-39.37,-153.54) 24(-19.68,-153.54) 25(0,-153.54) 26(20,-153.54) 27(40,-153.54) 28(60,-153.54) 29(79,-153.54) 30(99,-153.54) 31(119,-153.54) 32(138,-153.54) 33(158,-153.54) 34(178,-153.54) 50(178,154) 51(158,154) 52(138,154) 53(119,154) 54(99,154) 55(79,154) 56(60,154) 57(40,154) 58(20,154) 59(0,154) 60(-19.68,154) 61(-39.37,154) 62(-59.06,154) 63(-78.74,154) 64(-98.43,154) 65(-118.11,154) 66(-137.8,154) 67(-157.48,154) 68(-177.17,154)
  rrect20% 92.52x210.63 smd paste-196.85 mask+0: PAD69(85.63,-24.61)
  rrect20% 98.43x51.18 smd paste-196.85 mask+0: PAD70(-139.76,104.33)
  Top keep-out region: -78.74,127.95 196.85,127.95 196.85,-127.95 141.73,-127.95 141.73,88.58 29.53,88.58 29.53,-127.95 -187.01,-127.95 -187.01,68.9 -78.74,68.9
  silkscreen extent -219,163 -201,181
R_0402 [mm]
  rect 0.45x0.6 smd paste-0.04 mask+0.05: 1(-0.5,0) 2(0.5,0)
  silkscreen extent -1.05,-0.63 1.05,0.63, body extent -0.5,-0.3 0.5,0.3, height 0.2
RCLAMP0502A [mm] "RCLAMP0502A"
  rect 0.85x0.3 smd: 1(-0.725,0.5) 2(-0.725,0) 3(-0.725,-0.5) 4(0.725,-0.5) 5(0.725,0) 6(0.725,0.5)
  silkscreen extent -0.83,-0.5 0.2,1.3
SO08 [mil] "SO08"
  rect 26x80 smd: 1(-75,-121) 2(-25,-121) 3(25,-121) 4(75,-121) 5(75,121) 6(25,121) 7(-25,121) 8(-75,121)
  silkscreen extent -130,-133 100,62
SO20W [mil] "SO20W"
  rect 26x80 smd: 1(-225,-198) 2(-175,-198) 3(-125,-198) 4(-75,-198) 5(-25,-198) 6(25,-198) 7(75,-198) 8(125,-198) 9(175,-198) 10(225,-198) 11(225,198) 12(175,198) 13(125,198) 14(75,198) 15(25,198) 16(-25,198) 17(-75,198) 18(-125,198) 19(-175,198) 20(-225,198)
  silkscreen extent -283,-210 256,132
SOIC127P600X175-8N [mm] "SOIC127P600X175-8N"
  rect 1.55x0.6 smd: 1(-2.718,1.905) 2(-2.718,0.635) 3(-2.718,-0.635) 4(-2.718,-1.905) 5(2.692,-1.905) 6(2.692,-0.635) 7(2.692,0.635) 8(2.692,1.905)
  silkscreen extent -4.42,-2.49 1.17,2.49
SOT-23 [mm]
  rect 0.8x1.2 smd paste-0.08 mask+0.05: 1(-0.95,-1.1) 2(0.95,-1.1) 3(0,1.1)
  silkscreen extent -1.5,-0.7 1.5,0.7, body extent -1.46,-1.38 1.46,1.1, height 1
SOT-23-5 [mm]
  oval 1.1x0.65 smd paste-0.08: 1(-1.35,0.95)
  rect 1.1x0.65 smd paste-0.08: 2(-1.35,0) 3(-1.35,-0.95) 4(1.35,-0.95) 5(1.35,0.95)
  silkscreen extent -0.85,-1.5 0.6,1.77, body extent -1.5,-1.5 1.5,1.5, height 1.3
TACTILE_SWITCH [mil] "TACTILE_SWITCH"
  rect 24x40 smd: A1(-72.83,87) A2(-72.83,-86.61) B1(73,87) B2(73,-86.61)
  rect 17.72x40 smd: G1(-99.09,0) G2(99.8,0)
  silkscreen extent -98,-98 99,99
TSOT-8-23 [mil] "TSOT-8-23"
  rect 16x49 smd: 1(-38.39,-51.18) 2(-12.8,-51.18) 3(13,-51.18) 4(39,-51.18) 5(39,52) 6(13,52) 7(-12.8,52) 8(-38.39,52)
  silkscreen extent -77,-68 60,32
TSQFP50P3000X3000X160-208N [mm] "TSQFP, 208-Leads, Body 28,00x28,00mm, Pitch 0,50mm, IPC Medium Density"
  oval 1.2x0.3 smd: 1(-14.75,12.75) 2(-14.75,12.25) 3(-14.75,11.75) 4(-14.75,11.25) 5(-14.75,10.75) 6(-14.75,10.25) 7(-14.75,9.75) 8(-14.75,9.25) 9(-14.75,8.75) 10(-14.75,8.25) 11(-14.75,7.75) 12(-14.75,7.25) 13(-14.75,6.75) 14(-14.75,6.25) 15(-14.75,5.75) 16(-14.75,5.25) 17(-14.75,4.75) 18(-14.75,4.25) 19(-14.75,3.75) 20(-14.75,3.25) 21(-14.75,2.75) 22(-14.75,2.25) 23(-14.75,1.75) 24(-14.75,1.25) 25(-14.75,0.75) 26(-14.75,0.25) 27(-14.75,-0.25) 28(-14.75,-0.75) 29(-14.75,-1.25) 30(-14.75,-1.75) 31(-14.75,-2.25) 32(-14.75,-2.75) 33(-14.75,-3.25) 34(-14.75,-3.75) 35(-14.75,-4.25) 36(-14.75,-4.75) 37(-14.75,-5.25) 38(-14.75,-5.75) 39(-14.75,-6.25) 40(-14.75,-6.75) 41(-14.75,-7.25) 42(-14.75,-7.75) 43(-14.75,-8.25) 44(-14.75,-8.75) 45(-14.75,-9.25) 46(-14.75,-9.75) 47(-14.75,-10.25) 48(-14.75,-10.75) 49(-14.75,-11.25) 50(-14.75,-11.75) 51(-14.75,-12.25) 52(-14.75,-12.75) 105(14.75,-12.75) 106(14.75,-12.25) 107(14.75,-11.75) 108(14.75,-11.25) 109(14.75,-10.75) 110(14.75,-10.25) 111(14.75,-9.75) 112(14.75,-9.25) 113(14.75,-8.75) 114(14.75,-8.25) 115(14.75,-7.75) 116(14.75,-7.25) 117(14.75,-6.75) 118(14.75,-6.25) 119(14.75,-5.75) 120(14.75,-5.25) 121(14.75,-4.75) 122(14.75,-4.25) 123(14.75,-3.75) 124(14.75,-3.25) 125(14.75,-2.75) 126(14.75,-2.25) 127(14.75,-1.75) 128(14.75,-1.25) 129(14.75,-0.75) 130(14.75,-0.25) 131(14.75,0.25) 132(14.75,0.75) 133(14.75,1.25) 134(14.75,1.75) 135(14.75,2.25) 136(14.75,2.75) 137(14.75,3.25) 138(14.75,3.75) 139(14.75,4.25) 140(14.75,4.75) 141(14.75,5.25) 142(14.75,5.75) 143(14.75,6.25) 144(14.75,6.75) 145(14.75,7.25) 146(14.75,7.75) 147(14.75,8.25) 148(14.75,8.75) 149(14.75,9.25) 150(14.75,9.75) 151(14.75,10.25) 152(14.75,10.75) 153(14.75,11.25) 154(14.75,11.75) 155(14.75,12.25) 156(14.75,12.75)
  oval 0.3x1.2 smd: 53(-12.75,-14.75) 54(-12.25,-14.75) 55(-11.75,-14.75) 56(-11.25,-14.75) 57(-10.75,-14.75) 58(-10.25,-14.75) 59(-9.75,-14.75) 60(-9.25,-14.75) 61(-8.75,-14.75) 62(-8.25,-14.75) 63(-7.75,-14.75) 64(-7.25,-14.75) 65(-6.75,-14.75) 66(-6.25,-14.75) 67(-5.75,-14.75) 68(-5.25,-14.75) 69(-4.75,-14.75) 70(-4.25,-14.75) 71(-3.75,-14.75) 72(-3.25,-14.75) 73(-2.75,-14.75) 74(-2.25,-14.75) 75(-1.75,-14.75) 76(-1.25,-14.75) 77(-0.75,-14.75) 78(-0.25,-14.75) 79(0.25,-14.75) 80(0.75,-14.75) 81(1.25,-14.75) 82(1.75,-14.75) 83(2.25,-14.75) 84(2.75,-14.75) 85(3.25,-14.75) 86(3.75,-14.75) 87(4.25,-14.75) 88(4.75,-14.75) 89(5.25,-14.75) 90(5.75,-14.75) 91(6.25,-14.75) 92(6.75,-14.75) 93(7.25,-14.75) 94(7.75,-14.75) 95(8.25,-14.75) 96(8.75,-14.75) 97(9.25,-14.75) 98(9.75,-14.75) 99(10.25,-14.75) 100(10.75,-14.75) 101(11.25,-14.75) 102(11.75,-14.75) 103(12.25,-14.75) 104(12.75,-14.75) 157(12.75,14.75) 158(12.25,14.75) 159(11.75,14.75) 160(11.25,14.75) 161(10.75,14.75) 162(10.25,14.75) 163(9.75,14.75) 164(9.25,14.75) 165(8.75,14.75) 166(8.25,14.75) 167(7.75,14.75) 168(7.25,14.75) 169(6.75,14.75) 170(6.25,14.75) 171(5.75,14.75) 172(5.25,14.75) 173(4.75,14.75) 174(4.25,14.75) 175(3.75,14.75) 176(3.25,14.75) 177(2.75,14.75) 178(2.25,14.75) 179(1.75,14.75) 180(1.25,14.75) 181(0.75,14.75) 182(0.25,14.75) 183(-0.25,14.75) 184(-0.75,14.75) 185(-1.25,14.75) 186(-1.75,14.75) 187(-2.25,14.75) 188(-2.75,14.75) 189(-3.25,14.75) 190(-3.75,14.75) 191(-4.25,14.75) 192(-4.75,14.75) 193(-5.25,14.75) 194(-5.75,14.75) 195(-6.25,14.75) 196(-6.75,14.75) 197(-7.25,14.75) 198(-7.75,14.75) 199(-8.25,14.75) 200(-8.75,14.75) 201(-9.25,14.75) 202(-9.75,14.75) 203(-10.25,14.75) 204(-10.75,14.75) 205(-11.25,14.75) 206(-11.75,14.75) 207(-12.25,14.75) 208(-12.75,14.75)
  silkscreen extent -14.87,-13.6 13.6,13.6, body extent -14,-14 14,14, height 1.6